# Altium PCB MOTOR SECOND.PcbDoc (part 1 of 4) (continued)
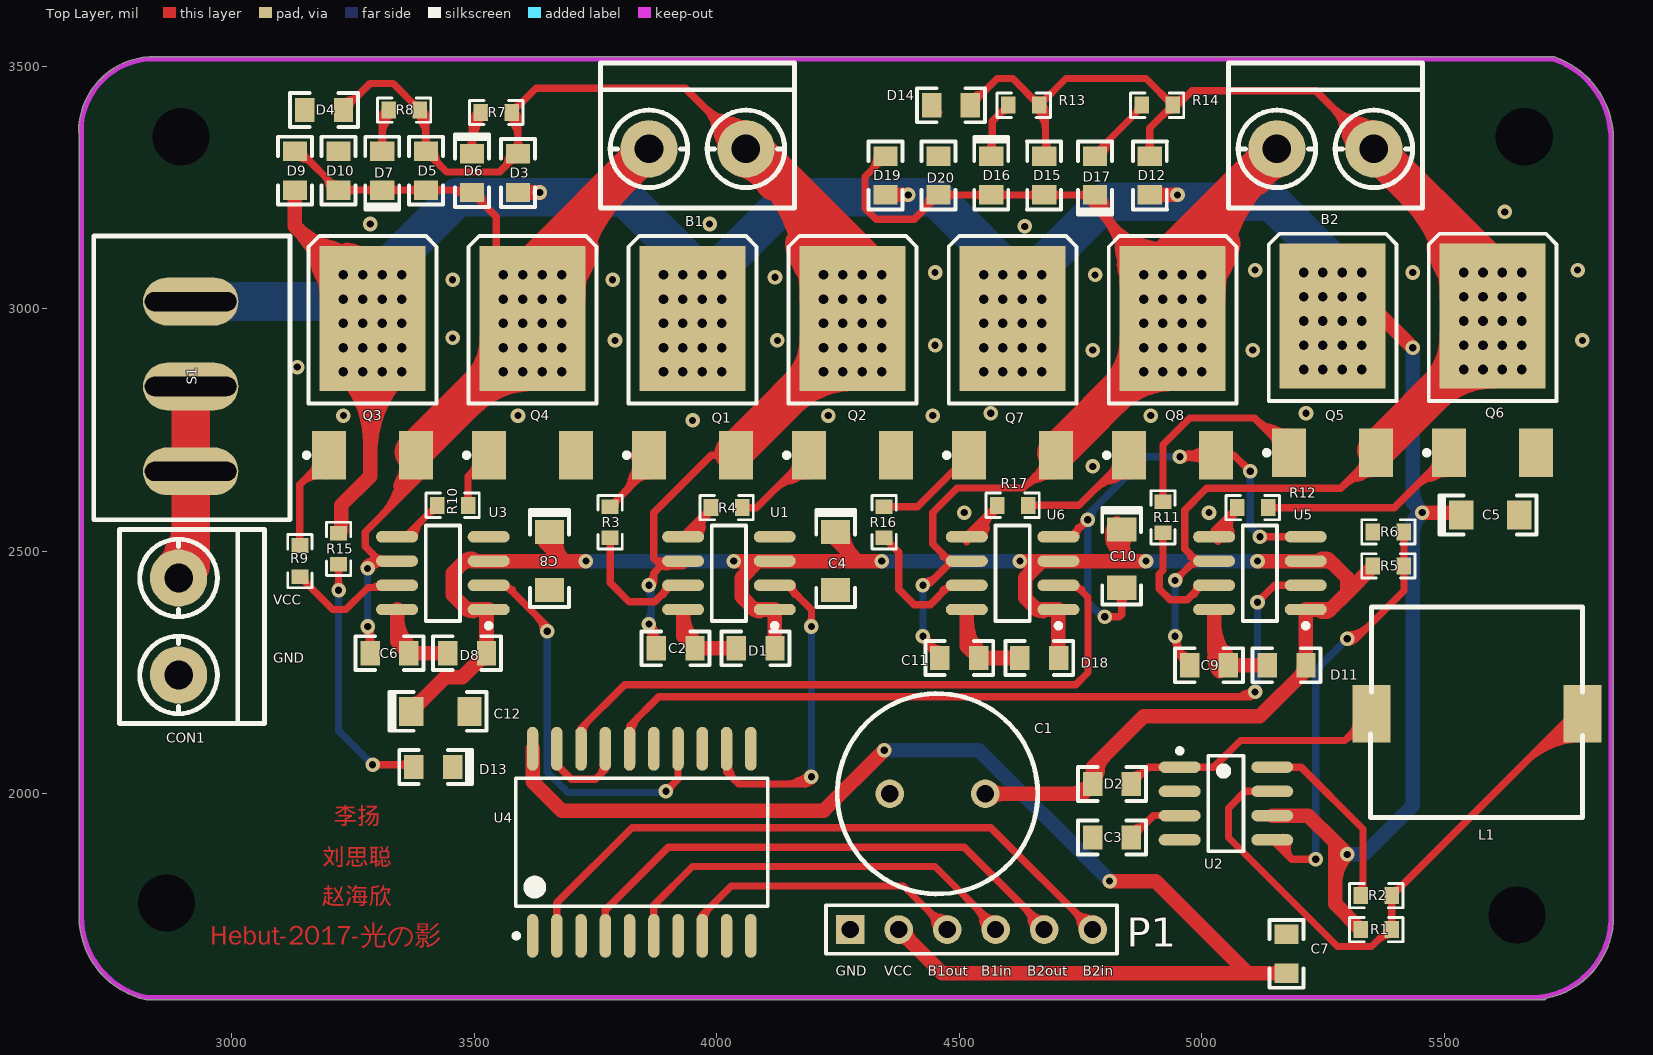
[diagram p0: Top Layer view]
## Nets (pads, with @x,y where several pads share a name; then routed paths per layer and width w, separated by ;. In a path a pad name is that pad's centre, name@x,y a point inside that pad or via, vN(x,y) a via of type N, cw(c..) or ccw(c..) an arc to the next point about the centre after c; other vN are vias at no path point) (continued)
  Bottom Layer w15: v2(4800,2365) 4795,2365 4765,2395 v2(4765,2565) 4765,2575 4885,2695 v2(4955,2695) ; v2(5100,2665) 5100,2550 v2(5120,2530) ; v2@4759.7,2559.7 cw(c4746.89,2546.89) 4765,2546.89 ; v2@4759.7,2559.7 cw(c4746.89,2546.89) 4765,2546.89 ; v2@4759.7,2559.7 cw(c4746.89,2546.89) 4765,2546.89 ; 4765,2546.89 cw(c4783.11,2546.89) v2@4770.3,2559.7 ; 4765,2546.89 cw(c4783.11,2546.89) v2@4770.3,2559.7 ; 4765,2546.89 cw(c4783.11,2546.89) v2@4770.3,2559.7 ; v2@4772.5,2565 cw(c4814.75,2565) 4784.87,2594.87 ; v2@4772.5,2565 cw(c4814.75,2565) 4784.87,2594.87 ; v2@4772.5,2565 cw(c4814.75,2565) 4784.87,2594.87 ; 4778.66,2381.34 ccw(c4800,2402.68) v2@4800,2372.5 ; 4778.66,2381.34 ccw(c4800,2402.68) v2@4800,2372.5 ; 4778.66,2381.34 ccw(c4800,2402.68) v2@4800,2372.5 ; 4936.89,2695 ccw(c4936.89,2713.11) v2@4949.7,2700.3 ; 4936.89,2695 cw(c4936.89,2676.89) v2@4949.7,2689.7 ; 4936.89,2695 ccw(c4936.89,2713.11) v2@4949.7,2700.3 ; 4936.89,2695 cw(c4936.89,2676.89) v2@4949.7,2689.7 ; 4936.89,2695 ccw(c4936.89,2713.11) v2@4949.7,2700.3 ; 4936.89,2695 cw(c4936.89,2676.89) v2@4949.7,2689.7 ; v2@5094.7,2659.7 cw(c5081.89,2646.89) 5100,2646.89 ; v2@5094.7,2659.7 cw(c5081.89,2646.89) 5100,2646.89 ; v2@5094.7,2659.7 cw(c5081.89,2646.89) 5100,2646.89 ; 5100,2646.89 cw(c5118.11,2646.89) v2@5105.3,2659.7 ; 5100,2646.89 cw(c5118.11,2646.89) v2@5105.3,2659.7 ; 5100,2646.89 cw(c5118.11,2646.89) v2@5105.3,2659.7 ; 5107.2,2542.8 ccw(c5120,2555.61) v2@5120,2537.5 ; 5107.2,2542.8 cw(c5094.39,2530) v2@5112.5,2530 ; 5107.2,2542.8 ccw(c5120,2555.61) v2@5120,2537.5 ; 5107.2,2542.8 cw(c5094.39,2530) v2@5112.5,2530 ; 5107.2,2542.8 ccw(c5120,2555.61) v2@5120,2537.5 ; 5107.2,2542.8 cw(c5094.39,2530) v2@5112.5,2530
"MOTOR1 IN1": U4.16 U5.2 | length 2321
  Top Layer w15: U4.16@3820,2092.91 3820,2140 3880,2200 5100,2200 v2(5110,2210) ; U4.16@3824.1,2127.7 cw(c3834.82,2131.16) 3826.86,2139.12 ; v2(5115,2395) 5150,2430 U5.2@5214.49,2430 ; U4.16@3817.84,2130.11 ccw(c3805.53,2151.44) 3829.32,2145.06 ; U4.16@3817.84,2130.11 ccw(c3805.53,2151.44) 3829.32,2145.06 ; U4.16@3817.84,2130.11 ccw(c3805.53,2151.44) 3829.32,2145.06 ; U4.16@3824.31,2126.38 cw(c3867.61,2126.38) 3836.99,2156.99 ; U4.16@3824.31,2126.38 cw(c3867.61,2126.38) 3836.99,2156.99 ; U4.16@3824.31,2126.38 cw(c3867.61,2126.38) 3836.99,2156.99 ; 5067.75,2200 ccw(c5067.75,2252.25) v2@5104.7,2215.3 ; 5067.75,2200 ccw(c5067.75,2252.25) v2@5104.7,2215.3 ; 5067.75,2200 ccw(c5067.75,2252.25) v2@5104.7,2215.3 ; 5084.9,2203.87 cw(c5095.26,2185.92) v2@5106.09,2203.6 ; 5084.9,2203.87 cw(c5095.26,2185.92) v2@5106.09,2203.6 ; 5084.9,2203.87 cw(c5095.26,2185.92) v2@5106.09,2203.6 ; v2@5115,2402.5 ccw(c5115,2420.61) 5127.8,2407.8 ; v2@5115,2402.5 ccw(c5115,2420.61) 5127.8,2407.8 ; v2@5115,2402.5 ccw(c5115,2420.61) 5127.8,2407.8 ; v2@5122.5,2395 cw(c5140.61,2395) 5127.8,2407.8 ; v2@5122.5,2395 cw(c5140.61,2395) 5127.8,2407.8 ; v2@5122.5,2395 cw(c5140.61,2395) 5127.8,2407.8
  Bottom Layer w15: v2(5110,2210) 5115,2215 v2(5115,2395) ; v2@5104.7,2215.3 ccw(c5079.82,2240.18) 5115,2240.18 ; v2@5104.7,2215.3 ccw(c5079.82,2240.18) 5115,2240.18 ; v2@5104.7,2215.3 ccw(c5079.82,2240.18) 5115,2240.18 ; v2@5109.7,2389.7 cw(c5096.89,2376.89) 5115,2376.89 ; v2@5109.7,2389.7 cw(c5096.89,2376.89) 5115,2376.89 ; v2@5109.7,2389.7 cw(c5096.89,2376.89) 5115,2376.89 ; 5111.71,2227.45 ccw(c5119.09,2223.19) v2@5114.25,2216.18 ; 5111.71,2227.45 ccw(c5119.09,2223.19) v2@5114.25,2216.18 ; 5111.71,2227.45 ccw(c5119.09,2223.19) v2@5114.25,2216.18 ; 5115,2376.89 cw(c5133.11,2376.89) v2@5120.3,2389.7 ; 5115,2376.89 cw(c5133.11,2376.89) v2@5120.3,2389.7 ; 5115,2376.89 cw(c5133.11,2376.89) v2@5120.3,2389.7
"MOTOR1 IN2": U4.18 U6.2 | length 1615.5
  Top Layer w15: U4.18@3720,2092.91 3720,2135 3810,2225 4740,2225 4765.3,2250.3 4765.3,2404.7 4740,2430 U6.2@4704.49,2430 ; U4.18@3724.1,2127.7 cw(c3734.82,2131.16) 3726.86,2139.12 ; U6.2@4737.48,2425.96 cw(c4740.57,2417.61) 4747.25,2423.49 ; U4.18@3717.84,2130.11 ccw(c3705.53,2151.44) 3729.32,2145.06 ; U4.18@3717.84,2130.11 ccw(c3705.53,2151.44) 3729.32,2145.06 ; U4.18@3717.84,2130.11 ccw(c3705.53,2151.44) 3729.32,2145.06 ; U4.18@3724.31,2126.38 cw(c3755.53,2126.38) 3733.46,2148.46 ; U4.18@3724.31,2126.38 cw(c3755.53,2126.38) 3733.46,2148.46 ; U4.18@3724.31,2126.38 cw(c3755.53,2126.38) 3733.46,2148.46 ; U6.2@4735.98,2425.69 cw(c4735.98,2405.59) 4750.2,2419.8 ; U6.2@4735.98,2425.69 cw(c4735.98,2405.59) 4750.2,2419.8 ; U6.2@4735.98,2425.69 cw(c4735.98,2405.59) 4750.2,2419.8 ; U6.2@4739.85,2431.91 ccw(c4758.34,2441.06) 4753,2421.13 ; U6.2@4739.85,2431.91 ccw(c4758.34,2441.06) 4753,2421.13 ; U6.2@4739.85,2431.91 ccw(c4758.34,2441.06) 4753,2421.13
"MOTOR1 IN3": U3.2 U4.14 | length 1261.3
  Top Layer w15: U3.2@3529.49,2430 3565,2430 3650,2345 v2(3650,2335) ; U3.2@3562.48,2425.96 cw(c3565.57,2417.61) 3572.25,2423.49 ; v2(3895,2005) 3920,2030 U4.14@3920,2092.91 ; U3.2@3560.98,2425.69 cw(c3560.98,2405.59) 3575.2,2419.8 ; U3.2@3560.98,2425.69 cw(c3560.98,2405.59) 3575.2,2419.8 ; U3.2@3560.98,2425.69 cw(c3560.98,2405.59) 3575.2,2419.8 ; U3.2@3564.85,2431.91 ccw(c3583.34,2441.06) 3578,2421.13 ; U3.2@3564.85,2431.91 ccw(c3583.34,2441.06) 3578,2421.13 ; U3.2@3564.85,2431.91 ccw(c3583.34,2441.06) 3578,2421.13 ; 3630.13,2364.87 cw(c3600.25,2335) v2@3642.5,2335 ; 3630.13,2364.87 cw(c3600.25,2335) v2@3642.5,2335 ; 3630.13,2364.87 cw(c3600.25,2335) v2@3642.5,2335 ; v2@3895,2012.5 ccw(c3895,2030.61) 3907.8,2017.8 ; v2@3895,2012.5 ccw(c3895,2030.61) 3907.8,2017.8 ; v2@3895,2012.5 ccw(c3895,2030.61) 3907.8,2017.8 ; v2@3902.5,2005 cw(c3920.61,2005) 3907.8,2017.8 ; v2@3902.5,2005 cw(c3920.61,2005) 3907.8,2017.8 ; v2@3902.5,2005 cw(c3920.61,2005) 3907.8,2017.8
  Bottom Layer w15: v2(3650,2335) 3650,2045 3692.5,2002.5 3892.5,2002.5 v2(3895,2005) ; v2@3644.7,2329.7 cw(c3631.89,2316.89) 3650,2316.89 ; v2@3644.7,2329.7 cw(c3631.89,2316.89) 3650,2316.89 ; v2@3644.7,2329.7 cw(c3631.89,2316.89) 3650,2316.89 ; 3650,2316.89 cw(c3668.11,2316.89) v2@3655.3,2329.7 ; 3650,2316.89 cw(c3668.11,2316.89) v2@3655.3,2329.7 ; 3650,2316.89 cw(c3668.11,2316.89) v2@3655.3,2329.7 ; 3870.86,2002.5 ccw(c3870.86,2029.14) v2@3889.7,2010.3 ; 3870.86,2002.5 ccw(c3870.86,2029.14) v2@3889.7,2010.3 ; 3870.86,2002.5 ccw(c3870.86,2029.14) v2@3889.7,2010.3
"MOTOR1 IN4": U1.2 U4.12 | length 1713.4
  Top Layer w15: U4.12@4020,2092.91 4020,2045 4045,2020 4180,2020 v2(4195,2035) ; U4.12@4024.1,2058.12 ccw(c4034.82,2054.67) 4026.86,2046.7 ; U1.2@4119.49,2430 4145,2430 4195,2380 v2(4195,2345) ; U1.2@4155.09,2428.68 ccw(c4165.81,2425.22) 4157.84,2417.25 ; U4.12@4017.84,2055.72 cw(c4005.53,2034.39) 4029.32,2040.76 ; U4.12@4017.84,2055.72 cw(c4005.53,2034.39) 4029.32,2040.76 ; U4.12@4017.84,2055.72 cw(c4005.53,2034.39) 4029.32,2040.76 ; U4.12@4024.31,2059.45 ccw(c4069.6,2059.45) 4037.58,2027.42 ; U4.12@4024.31,2059.45 ccw(c4069.6,2059.45) 4037.58,2027.42 ; U4.12@4024.31,2059.45 ccw(c4069.6,2059.45) 4037.58,2027.42 ; 4140.68,2020 ccw(c4140.68,2089.32) v2@4189.7,2040.3 ; 4140.68,2020 ccw(c4140.68,2089.32) v2@4189.7,2040.3 ; 4140.68,2020 ccw(c4140.68,2089.32) v2@4189.7,2040.3 ; U1.2@4148.83,2426.27 cw(c4136.52,2404.94) 4160.3,2411.31 ; U1.2@4148.83,2426.27 cw(c4136.52,2404.94) 4160.3,2411.31 ; U1.2@4148.83,2426.27 cw(c4136.52,2404.94) 4160.3,2411.31 ; U1.2@4155.3,2430 ccw(c4180.15,2430) 4162.57,2412.43 ; U1.2@4155.3,2430 ccw(c4180.15,2430) 4162.57,2412.43 ; U1.2@4155.3,2430 ccw(c4180.15,2430) 4162.57,2412.43 ; 4162.25,2024.45 cw(c4181.37,1991.33) v2@4192.77,2027.84 ; 4162.25,2024.45 cw(c4181.37,1991.33) v2@4192.77,2027.84 ; 4162.25,2024.45 cw(c4181.37,1991.33) v2@4192.77,2027.84 ; 4176.89,2020 ccw(c4176.89,2053.11) v2@4200.3,2029.7 ; 4176.89,2020 ccw(c4176.89,2053.11) v2@4200.3,2029.7 ; 4176.89,2020 ccw(c4176.89,2053.11) v2@4200.3,2029.7 ; 4181.84,2019.04 ccw(c4175.54,2029.95) v2@4187.74,2033.12 ; 4181.84,2019.04 ccw(c4175.54,2029.95) v2@4187.74,2033.12 ; 4181.84,2019.04 ccw(c4175.54,2029.95) v2@4187.74,2033.12 ; 4182.2,2022.2 ccw(c4169.39,2035) v2@4187.5,2035 ; 4182.2,2022.2 cw(c4195,2009.39) v2@4195,2027.5 ; 4182.2,2022.2 ccw(c4169.39,2035) v2@4187.5,2035 ; 4182.2,2022.2 cw(c4195,2009.39) v2@4195,2027.5 ; 4182.2,2022.2 ccw(c4169.39,2035) v2@4187.5,2035 ; 4182.2,2022.2 cw(c4195,2009.39) v2@4195,2027.5 ; v2@4189.7,2350.3 ccw(c4176.89,2363.11) 4195,2363.11 ; v2@4189.7,2350.3 ccw(c4176.89,2363.11) 4195,2363.11 ; v2@4189.7,2350.3 ccw(c4176.89,2363.11) 4195,2363.11 ; 4195,2363.11 ccw(c4213.11,2363.11) v2@4200.3,2350.3 ; 4195,2363.11 ccw(c4213.11,2363.11) v2@4200.3,2350.3 ; 4195,2363.11 ccw(c4213.11,2363.11) v2@4200.3,2350.3
  Bottom Layer w15: v2(4195,2035) v2(4195,2345) ; v2@4189.7,2040.3 ccw(c4176.89,2053.11) 4195,2053.11 ; v2@4189.7,2040.3 ccw(c4176.89,2053.11) 4195,2053.11 ; v2@4189.7,2040.3 ccw(c4176.89,2053.11) 4195,2053.11 ; v2@4189.7,2339.7 cw(c4176.89,2326.89) 4195,2326.89 ; v2@4189.7,2339.7 cw(c4176.89,2326.89) 4195,2326.89 ; v2@4189.7,2339.7 cw(c4176.89,2326.89) 4195,2326.89 ; 4195,2053.11 ccw(c4213.11,2053.11) v2@4200.3,2040.3 ; 4195,2053.11 ccw(c4213.11,2053.11) v2@4200.3,2040.3 ; 4195,2053.11 ccw(c4213.11,2053.11) v2@4200.3,2040.3 ; 4195,2326.89 cw(c4213.11,2326.89) v2@4200.3,2339.7 ; 4195,2326.89 cw(c4213.11,2326.89) v2@4200.3,2339.7 ; 4195,2326.89 cw(c4213.11,2326.89) v2@4200.3,2339.7
NetB1_1: B1.1 C2.2 D3.1 D4.2 D5.2 Q1.3 Q2.2 R7.2 R8.2 U1.6 | length 11554.3
  Top Layer w15: D4.2@3230,3410 3285,3465 3332,3465 R8.2@3387,3410 3400,3397 D5.2@3400,3325 3442.5,3282.5 3552.5,3282.5 D3.1@3590,3320 3590,3392 R7.2@3577,3405 3627,3455 3935,3455 B1.1@4060,3330 ; v2(3860,2350) v2@3869.7,2340.3 ; v2(3860,2430) 3864.41,2430 3869.7,2435.3 3869.7,2454.7 ; 3865.08,2330.82 cw(c3856.61,2321.78) C2.2@3865.76,2313.42 ; 3867.4,2335.74 cw(c3836.23,2327.39) C2.2@3864.17,2311.25 ; 3868.17,2332.88 ccw(c3895.29,2340.15) C2.2@3881.25,2315.83 ; C2.2@3869.7,2305.3 v2@3869.7,2340.3 ; 3887.75,2473.49 cw(c3894.43,2467.61) U1.6@3897.52,2475.96 ; U1.6@3930.51,2470 3885,2470 ; Q1.3@4039.76,2698.27 3988.27,2698.27 ; D4.2@3227.63,3415.81 cw(c3250.42,3408.05) D4.2@3244.19,3431.3 ; D4.2@3227.63,3415.81 cw(c3250.42,3408.05) D4.2@3244.19,3431.3 ; D4.2@3227.63,3415.81 cw(c3250.42,3408.05) D4.2@3244.19,3431.3 ; D4.2@3230,3427.5 ccw(c3230,3469.75) 3259.87,3439.87 ; D4.2@3230,3427.5 ccw(c3230,3469.75) 3259.87,3439.87 ; D4.2@3230,3427.5 ccw(c3230,3469.75) 3259.87,3439.87 ; D4.2@3242.5,3415 cw(c3260.61,3415) D4.2@3247.8,3427.8 ; D4.2@3242.5,3415 cw(c3260.61,3415) D4.2@3247.8,3427.8 ; D4.2@3242.5,3415 cw(c3260.61,3415) D4.2@3247.8,3427.8 ; 3369.93,3427.07 ccw(c3387,3444.14) R8.2@3387,3420 ; 3369.93,3427.07 ccw(c3387,3444.14) R8.2@3387,3420 ; 3369.93,3427.07 ccw(c3387,3444.14) R8.2@3387,3420 ; R8.2@3381.7,3402.2 cw(c3337.51,3358.01) 3400,3358.01 ; R8.2@3381.7,3402.2 cw(c3337.51,3358.01) 3400,3358.01 ; R8.2@3381.7,3402.2 cw(c3337.51,3358.01) 3400,3358.01 ; D5.2@3391.16,3333.84 ccw(c3369.82,3355.18) 3400,3355.18 ; D5.2@3391.16,3333.84 ccw(c3369.82,3355.18) 3400,3355.18 ; D5.2@3391.16,3333.84 ccw(c3369.82,3355.18) 3400,3355.18 ; R8.2@3392.3,3412.8 cw(c3373.72,3394.22) R8.2@3400,3394.22 ; R8.2@3392.3,3412.8 cw(c3373.72,3394.22) R8.2@3400,3394.22 ; R8.2@3392.3,3412.8 cw(c3373.72,3394.22) R8.2@3400,3394.22 ; R8.2@3393.94,3404.67 ccw(c3422.28,3393.11) 3395.78,3377.81 ; R8.2@3393.94,3404.67 ccw(c3422.28,3393.11) 3395.78,3377.81 ; R8.2@3393.94,3404.67 ccw(c3422.28,3393.11) 3395.78,3377.81 ; 3400,3355.18 ccw(c3430.18,3355.18) D5.2@3408.84,3333.84 ; 3400,3355.18 ccw(c3430.18,3355.18) D5.2@3408.84,3333.84 ; 3400,3355.18 ccw(c3430.18,3355.18) D5.2@3408.84,3333.84 ; D5.2@3405,3312.5 cw(c3405,3294.39) D5.2@3417.8,3307.2 ; D5.2@3405,3312.5 cw(c3405,3294.39) D5.2@3417.8,3307.2 ; D5.2@3405,3312.5 cw(c3405,3294.39) D5.2@3417.8,3307.2 ; D5.2@3405.81,3327.37 cw(c3398.05,3304.58) D5.2@3421.3,3310.81 ; D5.2@3405.81,3327.37 cw(c3398.05,3304.58) D5.2@3421.3,3310.81 ; D5.2@3405.81,3327.37 cw(c3398.05,3304.58) D5.2@3421.3,3310.81 ; D5.2@3417.5,3325 ccw(c3459.75,3325) 3429.87,3295.13 ; D5.2@3417.5,3325 ccw(c3459.75,3325) 3429.87,3295.13 ; D5.2@3417.5,3325 ccw(c3459.75,3325) 3429.87,3295.13 ; 3560.13,3290.13 ccw(c3530.25,3320) D3.1@3572.5,3320 ; 3560.13,3290.13 ccw(c3530.25,3320) D3.1@3572.5,3320 ; 3560.13,3290.13 ccw(c3530.25,3320) D3.1@3572.5,3320 ; D3.1@3568.7,3305.81 cw(c3591.95,3299.58) D3.1@3584.19,3322.37 ; D3.1@3568.7,3305.81 cw(c3591.95,3299.58) D3.1@3584.19,3322.37 ; D3.1@3568.7,3305.81 cw(c3591.95,3299.58) D3.1@3584.19,3322.37 ; R7.2@3571.7,3397.2 cw(c3527.51,3353.01) 3590,3353.01 ; R7.2@3571.7,3397.2 cw(c3527.51,3353.01) 3590,3353.01 ; R7.2@3571.7,3397.2 cw(c3527.51,3353.01) 3590,3353.01 ; D3.1@3572.2,3302.2 cw(c3585,3289.39) D3.1@3585,3307.5 ; D3.1@3572.2,3302.2 cw(c3585,3289.39) D3.1@3585,3307.5 ; D3.1@3572.2,3302.2 cw(c3585,3289.39) D3.1@3585,3307.5 ; R7.2@3577,3415 ccw(c3577,3439.14) 3594.07,3422.07 ; R7.2@3577,3415 ccw(c3577,3439.14) 3594.07,3422.07 ; R7.2@3577,3415 ccw(c3577,3439.14) 3594.07,3422.07 ; D3.1@3581.16,3328.84 ccw(c3559.82,3350.18) 3590,3350.18 ; D3.1@3581.16,3328.84 ccw(c3559.82,3350.18) 3590,3350.18 ; D3.1@3581.16,3328.84 ccw(c3559.82,3350.18) 3590,3350.18 ; R7.2@3582.3,3407.8 cw(c3563.72,3389.22) R7.2@3590,3389.22 ; R7.2@3582.3,3407.8 cw(c3563.72,3389.22) R7.2@3590,3389.22 ; R7.2@3582.3,3407.8 cw(c3563.72,3389.22) R7.2@3590,3389.22 ; R7.2@3583.94,3399.67 ccw(c3612.28,3388.11) 3585.78,3372.81 ; R7.2@3583.94,3399.67 ccw(c3612.28,3388.11) 3585.78,3372.81 ; R7.2@3583.94,3399.67 ccw(c3612.28,3388.11) 3585.78,3372.81 ; 3590,3350.18 ccw(c3620.18,3350.18) D3.1@3598.84,3328.84 ; 3590,3350.18 ccw(c3620.18,3350.18) D3.1@3598.84,3328.84 ; 3590,3350.18 ccw(c3620.18,3350.18) D3.1@3598.84,3328.84 ; v2@3854.7,2344.7 cw(c3818.46,2308.46) C2.2@3869.7,2308.46 ; v2@3854.7,2344.7 cw(c3818.46,2308.46) C2.2@3869.7,2308.46 ; v2@3854.7,2344.7 cw(c3818.46,2308.46) C2.2@3869.7,2308.46 ; v2@3854.7,2344.7 cw(c3824.03,2314.03) 3867.4,2314.03 ccw(c3824.03,2314.03) v2@3854.7,2344.7 ; v2@3856.25,2343.5 cw(c3835.48,2307.53) C2.2@3875.6,2318.28 ; v2@3856.25,2343.5 cw(c3835.48,2307.53) C2.2@3875.6,2318.28 ; v2@3856.25,2343.5 cw(c3835.48,2307.53) C2.2@3875.6,2318.28 ; v2@3856.25,2343.5 cw(c3835.48,2307.53) C2.2@3875.6,2318.28 ; v2@3856.25,2343.5 cw(c3835.48,2307.53) C2.2@3875.6,2318.28 ; v2@3856.25,2343.5 cw(c3835.48,2307.53) C2.2@3875.6,2318.28 ; v2@3857.4,2437.03 ccw(c3850.87,2454.7) 3869.7,2454.7 ; v2@3857.4,2437.03 ccw(c3850.87,2454.7) 3869.7,2454.7 ; v2@3857.4,2437.03 ccw(c3850.87,2454.7) 3869.7,2454.7 ; v2@3860.95,2341.14 ccw(c3899.87,2351.57) C2.2@3880.89,2316.03 ; v2@3860.95,2341.14 ccw(c3899.87,2351.57) C2.2@3880.89,2316.03 ; v2@3860.95,2341.14 ccw(c3899.87,2351.57) C2.2@3880.89,2316.03 ; C2.2@3864.17,2311.25 ccw(c3850.51,2319.14) C2.2@3865.75,2323.22 ; C2.2@3864.17,2311.25 ccw(c3850.51,2319.14) C2.2@3865.75,2323.22 ; C2.2@3864.17,2311.25 ccw(c3850.51,2319.14) C2.2@3865.75,2323.22 ; C2.2@3865.3,2312.88 ccw(c3851.26,2324.28) 3866.92,2333.32 ; C2.2@3865.3,2312.88 ccw(c3851.26,2324.28) 3866.92,2333.32 ; C2.2@3865.3,2312.88 ccw(c3851.26,2324.28) 3866.92,2333.32 ; C2.2@3865.3,2312.88 ccw(c3851.26,2324.28) 3866.92,2333.32 ; 3865.87,2325.35 cw(c3883.07,2335.28) v2@3866.32,2345.97 ; 3865.87,2325.35 cw(c3883.07,2335.28) v2@3866.32,2345.97 ; 3865.87,2325.35 cw(c3883.07,2335.28) v2@3866.32,2345.97 ; v2@3867.08,2347.52 ccw(c3884.54,2341.39) 3871.45,2328.3 ; v2@3867.08,2347.52 ccw(c3884.54,2341.39) 3871.45,2328.3 ; v2@3867.08,2347.52 ccw(c3884.54,2341.39) 3871.45,2328.3 ; v2@3867.08,2347.52 ccw(c3884.54,2341.39) 3871.45,2328.3 ; v2@3867.24,2348.06 ccw(c3896.63,2340.18) C2.2@3870.28,2324.97 ; v2@3867.24,2348.06 ccw(c3896.63,2340.18) C2.2@3870.28,2324.97 ; v2@3867.24,2348.06 ccw(c3896.63,2340.18) C2.2@3870.28,2324.97 ; v2@3867.24,2348.06 ccw(c3896.63,2340.18) C2.2@3870.28,2324.97 ; v2@3869.7,2340.29 ccw(c3901.1,2340.29) C2.2@3882.43,2315.05 ; v2@3869.7,2340.29 ccw(c3901.1,2340.29) C2.2@3882.43,2315.05 ; v2@3869.7,2340.29 ccw(c3901.1,2340.29) C2.2@3882.43,2315.05 ; 3869.7,2454.7 3885,2470 ; 3869.71,2485.29 ccw(c3884.13,2499.72) U1.6@3896.42,2483.44 ; 3869.71,2485.29 ccw(c3884.13,2499.72) U1.6@3896.42,2483.44 ; 3869.71,2485.29 ccw(c3884.13,2499.72) U1.6@3896.42,2483.44 ; 3869.7,2485.3 3869.7,2579.7 3988.27,2698.27 ; 3869.7,2485.3 3885,2470 ; 3881.89,2473.11 ccw(c3894.62,2485.83) U1.6@3905.46,2471.47 ; 3881.89,2473.11 ccw(c3894.62,2485.83) U1.6@3905.46,2471.47 ; 3881.89,2473.11 ccw(c3894.62,2485.83) U1.6@3905.46,2471.47 ; 3882,2471.13 ccw(c3876.66,2491.06) U1.6@3895.15,2481.91 ; 3882,2471.13 ccw(c3876.66,2491.06) U1.6@3895.15,2481.91 ; 3882,2471.13 ccw(c3876.66,2491.06) U1.6@3895.15,2481.91 ; 3884.8,2469.8 cw(c3899.02,2455.59) U1.6@3899.02,2475.69 ; 3884.8,2469.8 cw(c3899.02,2455.59) U1.6@3899.02,2475.69 ; 3884.8,2469.8 cw(c3899.02,2455.59) U1.6@3899.02,2475.69 ; 3885,2470 cw(c3898.74,2456.26) U1.6@3898.97,2475.69 ; 3885,2470 cw(c3898.74,2456.26) U1.6@3898.97,2475.69 ; 3885,2470 cw(c3898.74,2456.26) U1.6@3898.97,2475.69 ; 3971.99,3418.01 ccw(c4060,3506.02) B1.1@4060,3381.56 ; 3971.99,3418.01 cw(c3883.98,3330) B1.1@4008.44,3330 ; 3971.99,3418.01 ccw(c4060,3506.02) B1.1@4060,3381.56 ; 3971.99,3418.01 cw(c3883.98,3330) B1.1@4008.44,3330 ; 3971.99,3418.01 ccw(c4060,3506.02) B1.1@4060,3381.56 ; 3971.99,3418.01 cw(c3883.98,3330) B1.1@4008.44,3330 ; 3988.27,2698.27 ccw(c3988.27,2732.73) Q1.3@4016.91,2713.56 ; 3988.27,2698.27 cw(c3988.27,2663.81) Q1.3@4016.91,2682.97 ; 3988.27,2698.27 ccw(c3988.27,2732.73) Q1.3@4016.91,2713.56 ; 3988.27,2698.27 cw(c3988.27,2663.81) Q1.3@4016.91,2682.97 ; 3988.27,2698.27 ccw(c3988.27,2732.73) Q1.3@4016.91,2713.56 ; 3988.27,2698.27 cw(c3988.27,2663.81) Q1.3@4016.91,2682.97 ; 3994.58,3381.75 ccw(c4075.01,3403.3) B1.1@4058.31,3321.73 ; 3994.58,3381.75 ccw(c4075.01,3403.3) B1.1@4058.31,3321.73 ; 3994.58,3381.75 ccw(c4075.01,3403.3) B1.1@4058.31,3321.73 ; 3997.6,3392.4 ccw(c4060,3454.81) B1.1@4060,3366.56 ; 3997.6,3392.4 cw(c3935.19,3330) B1.1@4023.44,3330 ; 3997.6,3392.4 ccw(c4060,3454.81) B1.1@4060,3366.56 ; 3997.6,3392.4 cw(c3935.19,3330) B1.1@4023.44,3330 ; 3997.6,3392.4 ccw(c4060,3454.81) B1.1@4060,3366.56 ; 3997.6,3392.4 cw(c3935.19,3330) B1.1@4023.44,3330 ; 4000.86,3358.31 ccw(c4069.57,3376.72) B1.1@4055.3,3307.03 ; 4000.86,3358.31 ccw(c4069.57,3376.72) B1.1@4055.3,3307.03 ; 4000.86,3358.31 ccw(c4069.57,3376.72) B1.1@4055.3,3307.03 ; 4008.25,3395.42 cw(c3986.7,3314.99) B1.1@4068.27,3331.69 ; 4008.25,3395.42 cw(c3986.7,3314.99) B1.1@4068.27,3331.69 ; 4008.25,3395.42 cw(c3986.7,3314.99) B1.1@4068.27,3331.69 ; 4011.39,3375 ccw(c4061.52,3388.43) B1.1@4060.17,3336.55 ; 4011.39,3375 ccw(c4061.52,3388.43) B1.1@4060.17,3336.55 ; 4011.39,3375 ccw(c4061.52,3388.43) B1.1@4060.17,3336.55 ; 4015,3378.61 cw(c4001.57,3328.48) B1.1@4053.45,3329.83 ; 4015,3378.61 cw(c4001.57,3328.48) B1.1@4053.45,3329.83 ; 4015,3378.61 cw(c4001.57,3328.48) B1.1@4053.45,3329.83 ; 4031.69,3389.14 cw(c4013.28,3320.43) B1.1@4082.97,3334.7 ; 4031.69,3389.14 cw(c4013.28,3320.43) B1.1@4082.97,3334.7 ; 4031.69,3389.14 cw(c4013.28,3320.43) B1.1@4082.97,3334.7
  Top Layer w80: Q1.3@4034.76,2703.27 Q2.2@4249.76,2918.27 ; B1.1@4065,3340 Q2.2@4300,3105 ; B1.1@4079.01,3331.36 ccw(c4145.03,3336.09) 4111.94,3278.76 ; B1.1@4055.07,3311.59 cw(c4027.55,3208.89) 4119.63,3262.05 ; B1.1@4055.07,3311.59 cw(c4027.55,3208.89) 4119.63,3262.05 ; B1.1@4055.07,3311.59 cw(c4027.55,3208.89) 4119.63,3262.05 ; B1.1@4060,3310.94 cw(c4060,3228.73) 4118.14,3286.86 ; B1.1@4060,3310.94 cw(c4060,3228.73) 4118.14,3286.86 ; B1.1@4060,3310.94 cw(c4060,3228.73) 4118.14,3286.86 ; B1.1@4087.78,3317.22 cw(c3790.92,3020.35) Q2.2@4210.75,3020.35 ; B1.1@4087.78,3317.22 cw(c3790.92,3020.35) Q2.2@4210.75,3020.35 ; B1.1@4087.78,3317.22 cw(c3790.92,3020.35) Q2.2@4210.75,3020.35 ; 4146.66,2815.16 cw(c4280,2681.82) Q2.2@4280,2870.39 ; 4146.66,2815.16 cw(c4280,2681.82) Q2.2@4280,2870.39 ; 4146.66,2815.16 cw(c4280,2681.82) Q2.2@4280,2870.39 ; 4168.04,2836.55 ccw(c4064.95,2939.65) Q2.2@4210.75,2939.65 ; 4168.04,2836.55 ccw(c4064.95,2939.65) Q2.2@4210.75,2939.65 ; 4168.04,2836.55 ccw(c4064.95,2939.65) Q2.2@4210.75,2939.65 ; 4180.31,3133.97 ccw(c4375.84,3186.36) Q2.2@4274.63,3011.05 ; 4180.31,3133.97 ccw(c4375.84,3186.36) Q2.2@4274.63,3011.05 ; 4180.31,3133.97 ccw(c4375.84,3186.36) Q2.2@4274.63,3011.05 ; 4224.35,3180.65 cw(c4064.06,3020.35) Q2.2@4290.75,3020.35 ; 4224.35,3180.65 cw(c4064.06,3020.35) Q2.2@4290.75,3020.35 ; 4224.35,3180.65 cw(c4064.06,3020.35) Q2.2@4290.75,3020.35
  Bottom Layer w15: v2(3860,2350) 3865,2355 3865,2425 v2(3860,2430) ; v2@3854.7,2355.3 ccw(c3829.82,2380.18) 3865,2380.18 ; v2@3854.7,2355.3 ccw(c3829.82,2380.18) 3865,2380.18 ; v2@3854.7,2355.3 ccw(c3829.82,2380.18) 3865,2380.18 ; v2@3854.7,2424.7 cw(c3829.82,2399.82) 3865,2399.82 ; v2@3854.7,2424.7 cw(c3829.82,2399.82) 3865,2399.82 ; v2@3854.7,2424.7 cw(c3829.82,2399.82) 3865,2399.82 ; 3861.71,2367.45 ccw(c3869.09,2363.19) v2@3864.25,2356.18 ; 3861.71,2367.45 ccw(c3869.09,2363.19) v2@3864.25,2356.18 ; 3861.71,2367.45 ccw(c3869.09,2363.19) v2@3864.25,2356.18 ; 3861.71,2412.55 cw(c3869.09,2416.81) v2@3864.25,2423.82 ; 3861.71,2412.55 cw(c3869.09,2416.81) v2@3864.25,2423.82 ; 3861.71,2412.55 cw(c3869.09,2416.81) v2@3864.25,2423.82
  other v1: 4220,2870 4260,2870 4300,2870 4340,2870 4220,2920 4260,2920 4300,2920 4340,2920 4220,2970 4260,2970 4300,2970 4340,2970 4220,3020 4260,3020 4300,3020 4340,3020 4220,3070 4260,3070 4300,3070 4340,3070